# Altium PCB KEA once.PcbDoc (part 3 of 4) (continued)
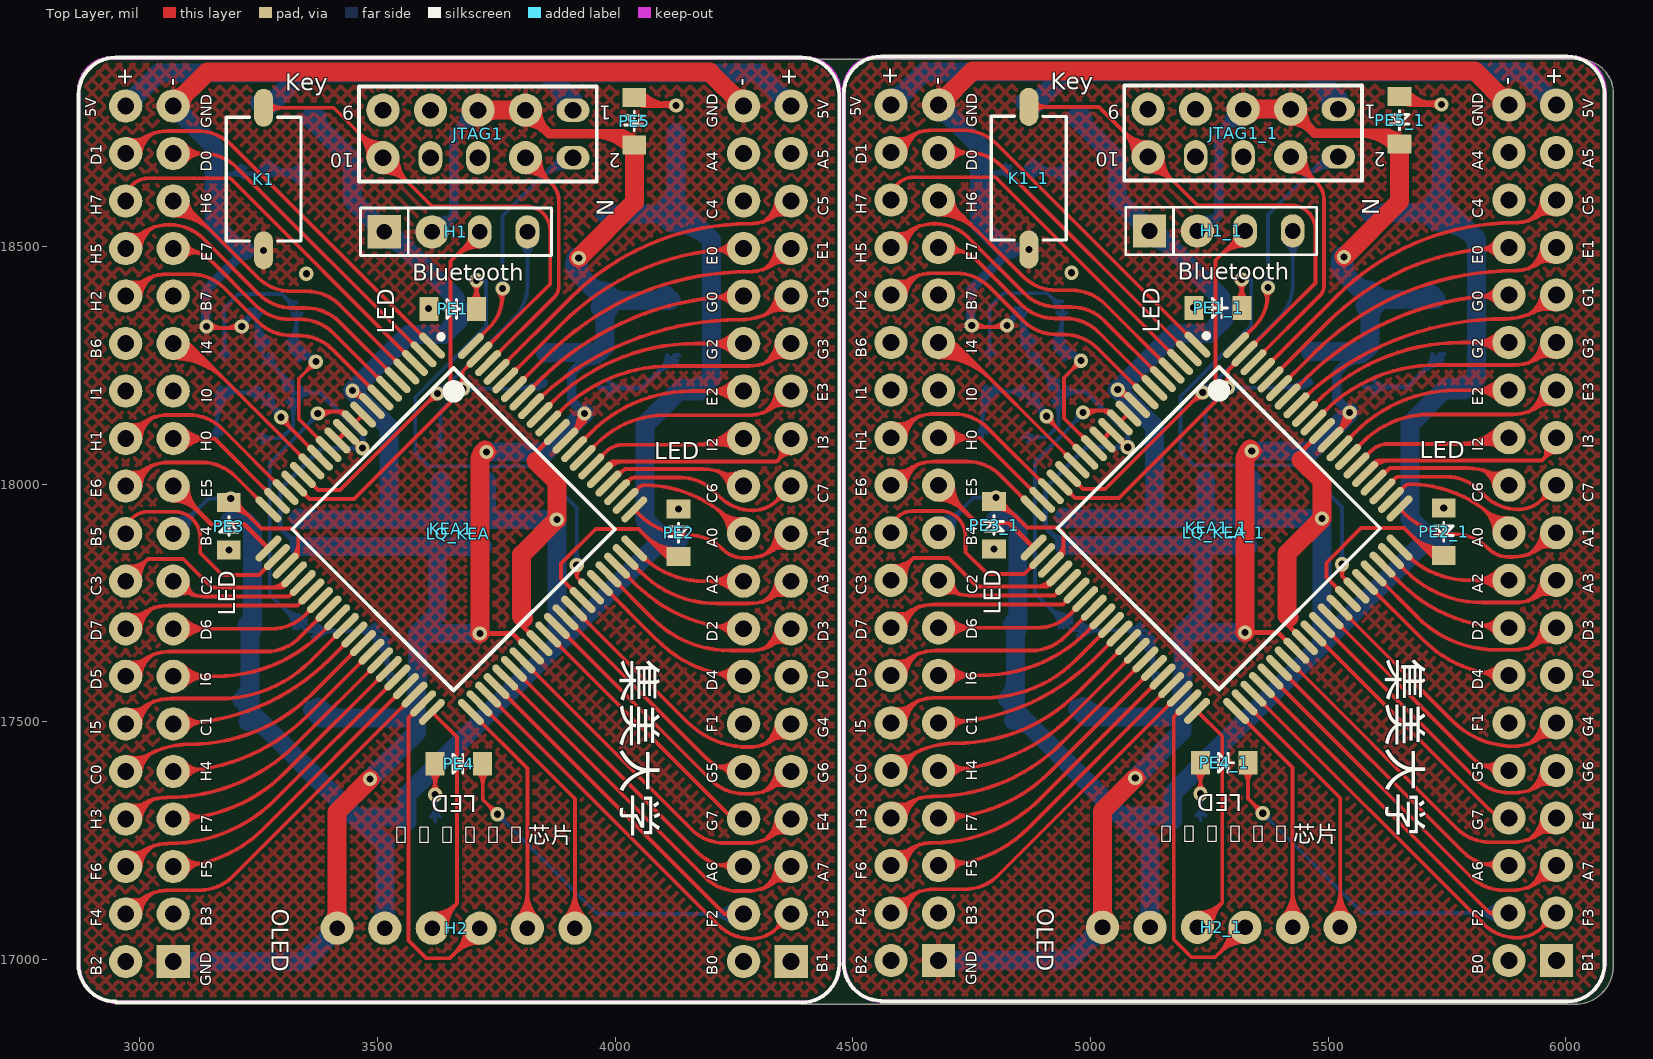
[diagram p0: Top Layer view]
## Nets (pads, with @x,y where several pads share a name; then routed paths per layer and width w, separated by ;. In a path a pad name is that pad's centre, name@x,y a point inside that pad or via, vN(x,y) a via of type N, cw(c..) or ccw(c..) an arc to the next point about the centre after c; other vN are vias at no path point) (continued)
  Top Layer w10: 4580,17998 4600.71,18018.71 ; 4580,18098 4600.71,18118.71 ; 4580,18398 4596.71,18414.71 ; 4580,18498 4600.71,18518.71 ; 4580,18698 4597.71,18715.71 ; 4671.42,18548 4672.58,18548 ; 4680,17968 cw(c4680,17895.57) 4731.21,17946.79 cw(c4782.43,17998) 4710,17998 ; 4680,17978 cw(c4680,17929.72) 4714.14,17963.86 cw(c4748.28,17998) 4700,17998 ; 4680,17998 4760,17918 ; 4680,18498 4692.58,18498 ; 4680,18598 cw(c4680,18556.96) 4709.02,18585.98 ; 4829.07,17918 4880.13,17866.94 ; 5043.35,18076 5025.21,18094.14 5043.34,18112.28 5077.62,18078 v1(5078,18078) ; v1@5057,18189 cw(c5057,18144.5) 5088.46,18175.97 ; 5060.28,18095.34 ccw(c5078,18113.06) v1@5078,18088 ; 5061.2,18094.42 cw(c5044.77,18078) v1@5068,18078 ; 5071.39,18193.04 ccw(c5057,18178.65) v1(5057,18199) 5065.43,18199 5097.75,18166.68 ; v1(5325,17688) 5394.52,17688 5432.73,17649.79 ; v1@5332.07,17680.93 cw(c5349.14,17663.86) 5349.14,17688 cw(c5349.14,17712.14) v1@5332.07,17695.07 ; 5413,17854 5407,17848 5407,17711.71 5450.82,17667.89 ; 5443,18051 5443,18067.91 5487.01,18111.92 ; 5505.11,18093.82 5545,18133.72 ; 5515.71,18104.42 ccw(c5469.13,18151) v1@5535,18151 ; 5532.78,18121.49 ccw(c5503.27,18151) v1(5545,18151) 5545,18133.72 ; v1@5540.02,18142.33 cw(c5535.06,18133.72) 5545,18133.72 ; v1@5549.98,18142.33 ccw(c5554.94,18133.72) 5545,18133.72 ; 5650,18816 5667,18799 v1(5738,18799) ; 5651.46,18812.46 ccw(c5683.97,18844.97) 5683.97,18799 ; 5658.54,18819.54 ccw(c5708.11,18869.11) 5708.11,18799 ; 5665.61,18826.61 ccw(c5732.25,18893.25) v1@5732.25,18799 ; 5969,17898 5980,17898 ; 5713.86,18799 cw(c5713.86,18774.86) 5730.93,18791.93 ccw(c5713.86,18774.86) 5713.86,18799 ; 5713.86,18799 ccw(c5713.86,18823.14) 5730.93,18806.07 cw(c5713.86,18823.14) 5713.86,18799 ; 5711.31,18803.46 ccw(c5717.19,18831.07) 5732.56,18807.39 cw(c5717.19,18831.07) 5711.31,18803.46 ; 5716.96,18802.26 cw(c5712.79,18782.64) 5729.61,18793.56 ccw(c5712.79,18782.64) 5716.96,18802.26
  Top Layer w20: 5421,18764 cw(c5421,18703.64) 5463.68,18746.32 cw(c5506.36,18789) 5446,18789 ; 5421,18789 5471,18739 5627,18739 ; 5565.33,18739 cw(c5565.33,18636.33) 5637.93,18708.93 ; 5613.62,18739 cw(c5613.62,18684.62) 5652.07,18723.07 ; 5635.04,18716.88 ccw(c5607.33,18719.33) 5627,18739 ; 5650,18716 5627,18739
  Top Layer w40: 4680,18798 4751,18869 5809,18869 5880,18798 ; 4680,18813 ccw(c4680,18849.21) 4705.61,18823.61 ccw(c4731.21,18798) 4695,18798 ; 5014.39,17078.61 ccw(c4988.79,17104.21) 5025,17104.21 ccw(c5061.21,17104.21) 5035.61,17078.61 ; 5025,17068 5025,17313 v1(5094,17382) ; 5321,18789 5421,18789 ; v1(5325,17688) 5325,18056 v1(5339,18070) ; 5325,18048.27 cw(c5360.73,18048.27) v1@5335.46,18073.54 ; 5325,18050.2 cw(c5356.28,18050.2) v1@5335.71,18073.77 ; 5331.61,18778.39 cw(c5357.21,18752.79) 5357.21,18789 cw(c5357.21,18825.21) 5331.61,18799.61 ; 5410.39,18778.39 ccw(c5384.79,18752.79) 5384.79,18789 ccw(c5384.79,18825.21) 5410.39,18799.61 ; 5417,17720 5413,17724 5413,17854 v1(5487,17928) 5487,18007 5443,18051 ; v1(5533,18478) 5650,18595 5650,18716 ; 5865,18798 ccw(c5828.79,18798) 5854.39,18823.61 ccw(c5880,18849.21) 5880,18813
  Bottom Layer w8: 4680,17898 4754,17972 v1(4801,17972) ; 4680,17913 ccw(c4680,17949.21) 4705.61,17923.61 ccw(c4731.21,17898) 4695,17898 ; 4680,17921 ccw(c4680,17976.53) 4719.26,17937.26 ccw(c4758.53,17898) 4703,17898 ; 4680,17929 ccw(c4680,18003.84) 4732.92,17950.92 ccw(c4785.84,17898) 4711,17898 ; 4762.45,18107.55 ccw(c4739.41,18130.59) 4772,18130.59 ccw(c4804.59,18130.59) 4781.55,18107.55 ; 4772,18098 4772,18186 4788,18202 4795.31,18194.69 4869.5,18194.69 4869.5,18181.5 v1@4915,18136 ; 4772,18128.28 cw(c4859.22,18128.28) 4797.55,18189.95 cw(c4808.99,18178.51) 4808.99,18194.69 ; 4772,18147.59 cw(c4839.91,18147.59) 4791.89,18195.61 ; 4772,18166.91 cw(c4820.59,18166.91) 4786.23,18201.27 ; 4772,18186.22 cw(c4801.28,18186.22) 4780.58,18206.92 ; 4778.45,18274.05 ccw(c4755.41,18297.09) 4788,18297.09 ccw(c4820.59,18297.09) 4797.55,18274.05 ; 4788,18262 4788,18373 4817,18402 4909,18402 4940,18371 4940,18288.81 4932.5,18281.31 4958.69,18281.31 ; 4791.89,18203.39 ccw(c4812.88,18224.38) 4812.88,18194.69 ; v1@4793.22,17964.22 ccw(c4774.44,17945.44) 4774.44,17972 ccw(c4774.44,17998.56) v1@4793.22,17979.78 ; 4797.55,18209.05 ccw(c4832.2,18243.7) 4832.2,18194.69 ; v1@4821.15,18344.63 ccw(c4813.08,18374.76) 4840.09,18359.16 ; v1(4824,18334) 4855,18365 ; v1@4824,18345 ccw(c4824,18371.56) 4842.78,18352.78 ccw(c4861.56,18334) v1@4835,18334 ; v1@4827.71,18337.71 ccw(c4794.42,18371) 4841.5,18371 ; v1@4834.63,18336.85 cw(c4855.8,18342.52) 4836.81,18353.48 ; 4841.37,18351.37 ccw(c4821.74,18371) 4849.5,18371 ; 4842.2,18352.2 cw(c4855,18339.39) 4855,18357.5 ; 4845.45,18361.45 cw(c4822.41,18338.41) 4855,18338.41 cw(c4887.59,18338.41) 4864.55,18361.45 ; 4855,18307.96 ccw(c4890.75,18307.96) 4865.75,18282.39 ; 4855,18326.97 ccw(c4909.35,18326.97) 4871.35,18288.11 ; 4855,18345.98 ccw(c4927.94,18345.98) 4876.94,18293.83 ; 4855,18371 4855,18365 ; 4856.32,18181.51 ccw(c4824.51,18149.7) 4824.51,18194.69 ccw(c4824.51,18239.69) 4856.32,18207.87 ; 4857,18098 4858,18099 4908,18099 4932.5,18123.5 4932.5,18194.69 4932.5,18209.5 4869.5,18272.5 4869.5,18281.31 4855,18295.81 4855,18365 ; 4861.98,18187.17 ccw(c4843.82,18169.01) 4843.82,18194.69 ccw(c4843.82,18220.37) 4861.98,18202.22 ; 4866.55,18088.45 cw(c4892.01,18062.99) 4892.01,18099 ; 4866.55,18107.55 ccw(c4887.18,18128.18) 4887.18,18099 ; 4869.5,18171.13 cw(c4869.5,18146.12) 4887.19,18163.81 ; 4869.5,18257.75 cw(c4869.5,18222.14) 4894.68,18247.32 ; 4880.14,18189.77 ccw(c4925.8,18189.77) 4893.52,18157.48 ; 4880.14,18276.39 ccw(c4915.21,18276.39) 4890.41,18251.59 ; 4882.54,18299.55 cw(c4946.54,18365) 4855,18365 ; 4887.51,18163.49 cw(c4867.03,18143) v1@4896,18143 ; 4888.14,18189.77 ccw(c4953.12,18189.77) v1@4907.17,18143.83 ; 4888.14,18276.39 ccw(c4942.53,18276.39) 4904.07,18237.93 ; 4889.93,18161.07 ccw(c4907,18178.14) v1@4907,18154 ; 4893.53,18167.46 cw(c4868.87,18153.22) v1@4896.37,18145.85 ; 4893.69,18248.31 cw(c4844.99,18199.61) 4913.86,18199.61 ; 4894.89,18165.1 ccw(c4916.22,18177.42) v1@4909.85,18153.63 ; 4907.08,17745.92 ccw(c4960,17798.84) 4960,17724 ; 4907.34,18234.66 cw(c4872.3,18199.61) 4921.86,18199.61 ; 4917.56,18224.44 ccw(c4932.5,18239.37) 4932.5,18218.25 ; 4919.32,18176.59 cw(c4887.5,18144.78) 4932.5,18144.78 cw(c4977.49,18144.78) 4945.68,18176.59 ; 4919.32,18299.41 ccw(c4869.38,18349.34) 4940,18349.34 ; 4920.29,17732.71 cw(c4886.06,17698.47) 4934.47,17698.47 ; 4920.74,17732.26 ccw(c4960,17771.53) 4960,17716 ; 4921,18221 cw(c4899.61,18199.61) 4929.86,18199.61 ; 4924.1,18286.78 cw(c4938.57,18268.87) 4954.85,18285.15 ; 4924.97,18182.25 cw(c4906.81,18164.09) 4932.5,18164.09 cw(c4958.18,18164.09) 4940.02,18182.25 ; 4924.97,18293.75 ccw(c4888.7,18330.03) 4940,18330.03 ; 4926.5,18371 ccw(c4893.91,18371) 4916.95,18394.05 ccw(c4940,18417.09) 4940,18384.5 ; 4929.13,18280.56 cw(c4944.19,18261.92) 4961.14,18278.86 ; 4930.45,18361.45 cw(c4907.41,18338.41) 4940,18338.41 cw(c4972.59,18338.41) 4949.55,18361.45 ; 4930.63,18288.09 ccw(c4908.01,18310.71) 4940,18310.71 ; 4933.95,17719.05 cw(c4913.37,17698.47) 4942.47,17698.47 ; 4934.15,18274.33 cw(c4949.81,18254.97) 4967.42,18272.58 ; 4934.39,17718.61 ccw(c4960,17744.21) 4960,17708 ; 4939.18,18268.11 cw(c4955.43,18248.01) v1@4973.71,18266.29 ; 4940,18313.11 ccw(c4959.38,18313.11) 4945.68,18299.41 ; 4944.21,18261.89 cw(c4961.06,18241.06) v1(4980,18260) 4958.69,18281.31 ; 4950.1,18275.2 cw(c4958.69,18272.22) 4958.69,18281.31 ; 4950.1,18287.42 ccw(c4958.69,18290.4) 4958.69,18281.31 ; 4953.96,18280.35 cw(c4938.39,18253.39) v1@4969.14,18258.28 ; 4960.97,18273.64 cw(c4952.95,18259.74) v1@4969,18259.89 ; 4962.97,18272.49 ccw(c4972.31,18288.69) 4977.15,18270.63 cw(c4974.35,18281.1) 4968.93,18271.71 ; 4963.1,18127.1 ccw(c4939.2,18151) v1@4973,18151 ; 4968.49,18271.96 cw(c4959.73,18256.78) v1@4977.04,18259.53 ; v1@4969,18260 ccw(c4942.44,18260) 4961.22,18278.78 ccw(c4980,18297.56) v1@4980,18271 ; 4970.34,18134.34 cw(c4984,18120.69) v1@4984,18140 ; 4972.39,17680.61 cw(c5002.32,17650.68) 5002.32,17693 cw(c5002.32,17735.32) 4972.39,17705.39 ; 4978.05,17674.95 cw(c5021.63,17631.37) 5021.63,17693 cw(c5021.63,17754.63) 4978.05,17711.05 ; v1@4985.5,18149.5 4883,18047 4883,17770 4960,17693 5114.6,17693 5119.6,17688 5132,17675.6 5132,17591 ; 5064.91,17693 cw(c5064.91,17637.25) 5104.33,17676.67 ; 5070.04,17693 ccw(c5070.04,17741.49) 5104.33,17707.2 ; 5084.22,17693 cw(c5084.22,17656.56) 5109.99,17682.33 ; 5089.35,17693 ccw(c5089.35,17722.18) 5109.99,17701.55 ; 5104.33,17668.8 cw(c5037.53,17602) 5132,17602 ; 5109.99,17674.45 cw(c5056.85,17621.31) 5132,17621.31 ; 5115.65,17680.11 cw(c5076.16,17640.63) 5132,17640.63 ; 5121.3,17685.77 cw(c5095.48,17659.94) 5132,17659.94 ; 5122.45,17600.55 ccw(c5099.41,17623.59) 5132,17623.59 ccw(c5164.59,17623.59) 5141.55,17600.55 ; 5222.45,17302.55 ccw(c5201.82,17323.18) 5231,17323.18 ; v1@5223.22,17341.22 cw(c5204.44,17322.44) 5231,17322.44 cw(c5257.56,17322.44) v1@5238.78,17341.22 ; 5231,17328.01 ccw(c5267.01,17328.01) 5241.55,17302.55 ; v1(5231,17349) 5231,17294 5232,17293 ; 5232.45,18082.05 ccw(c5209.41,18105.09) 5242,18105.09 ccw(c5274.59,18105.09) 5251.55,18082.05 ; v1@5236,18204 ccw(c5236,18237.8) 5259.9,18213.9 ; 5242,18070 5242,18156 v1(5289,18203) 5448,18203 5463,18218 5452,18218 ; v1@5247,18193 cw(c5266.31,18193) 5252.66,18206.66 ; 5249,18203 5393,18347 ; v1@5278,18203 cw(c5251.44,18203) 5270.22,18184.22 cw(c5289,18165.44) v1@5289,18192 ; v1@5296.78,18195.22 cw(c5315.56,18176.44) 5315.56,18203 cw(c5315.56,18229.56) v1@5296.78,18210.78 ; v1(5318,18431) 5338,18431 ; v1@5327.29,18425.11 cw(c5338,18418.32) 5338,18431 ; v1@5327.29,18436.89 ccw(c5338,18443.68) 5338,18431 ; v1@5362.21,17296.79 cw(c5362.21,17270.23) 5380.99,17289.01 cw(c5399.77,17307.79) v1@5373.21,17307.79 ; v1(5362.21,17307.79) 5572,17098 5880,17098 ; v1@5365.22,18421.78 ccw(c5346.44,18440.56) 5373,18440.56 ccw(c5399.56,18440.56) v1@5380.78,18421.78 ; v1(5373,18414) 5373,18567 5495,18689 5521,18689 ; 5395.89,18349.89 ccw(c5325.18,18420.6) 5425.18,18420.6 5425.18,18533 ; 5400.23,18203 ccw(c5400.23,18278.27) 5453.45,18225.05 ; 5410.33,18508.15 cw(c5374.48,18472.3) 5425.18,18472.3 cw(c5475.88,18472.3) 5440.03,18508.15 ; 5415.99,18513.81 cw(c5393.8,18491.62) 5425.18,18491.62 cw(c5456.57,18491.62) 5434.37,18513.81 ; 5419.54,18203 ccw(c5419.54,18258.96) 5459.11,18219.39 ; 5438.86,18203 ccw(c5438.86,18239.64) 5464.77,18213.73 ; 5447.84,18641.84 cw(c5511,18578.67) 5511,18668 ; 5461.49,18655.49 cw(c5511,18605.99) 5511,18676 ; 5475.15,18669.15 cw(c5511,18633.3) 5511,18684 ; 5486.46,18680.46 ccw(c5477.93,18689) 5490,18689 ; v1@5521.22,17839.78 ccw(c5502.44,17858.56) 5529,17858.56 ccw(c5555.56,17858.56) v1@5536.78,17839.78 ; v1(5529,17832) 5529,17952 5441,18040 5218,18040 5189,18069 5189,18185 5338,18334 5338,18431 ; 5858.08,17076.08 ccw(c5805.16,17023.16) 5805.16,17098 ccw(c5805.16,17172.84) 5858.08,17119.92 ; 5863.74,17081.74 ccw(c5824.47,17042.47) 5824.47,17098 ccw(c5824.47,17153.53) 5863.74,17114.26 ; 5869.39,17087.39 ccw(c5843.79,17061.79) 5843.79,17098 ccw(c5843.79,17134.21) 5869.39,17108.61
  Bottom Layer w10: 4809.95,18655 cw(c4809.95,18629.93) 4827.68,18647.66 ; 4812.33,18655 ccw(c4812.33,18674.53) 4831.08,18669.06 ; 4821.48,18671.86 cw(c4799,18678.41) 4799,18655 4967,18655 4968,18654 ; 4864.17,18668.2 ccw(c4896.05,18700.07) 4896.05,18655 ccw(c4896.05,18629.93) 4878.32,18647.66 ; 4871.24,18675.27 ccw(c4920.19,18724.21) 4920.19,18655 ; 4878.32,18682.34 ccw(c4944.33,18748.36) 4944.33,18655 ; 4900.9,18655 cw(c4900.9,18592.37) 4945.18,18636.66 ; 4905.73,18655 ccw(c4905.73,18710.8) 4945.18,18671.34 ; 4910.23,18662.74 ccw(c4919.1,18701.81) 4946.04,18672.16 ; 4911.3,18662.5 cw(c4900.5,18614.93) 4941.77,18640.93 ; 4918.39,17896.61 ccw(c4944,17922.21) 4944,17886 ; 4924.43,17890.57 cw(c4907.36,17873.5) 4931.5,17873.5 ; 4925.04,18655 cw(c4925.04,18616.51) 4952.26,18643.73 ; 4928.94,18658.49 ccw(c4934.85,18684.48) 4952.76,18664.75 ; 4929.87,18655 ccw(c4929.87,18686.66) 4952.25,18664.27 ; 4932.5,18194.69 4989.31,18194.69 5078,18106 v1(5078,18078) 4991,18078 4905,17992 4905,17910 4944,17871 ; 4944.97,18182.22 cw(c4975.08,18152.11) 4975.08,18194.69 cw(c4975.08,18237.27) 4944.97,18207.16 ; v1@5070.93,18070.93 ccw(c5053.86,18053.86) 5053.86,18078 ccw(c5053.86,18102.14) 5070.93,18085.07 ccw(c5053.86,18102.14) 5078,18102.14 ccw(c5102.14,18102.14) v1@5085.07,18085.07 ; 5576,18204.6 5666.6,18204.6 5735.4,18273.4 5744,18273.4 ; 5594.5,18190.04 cw(c5629.65,18154.89) 5629.65,18204.6 cw(c5629.65,18254.31) 5594.5,18219.16 ; 5696.96,18234.96 cw(c5740.06,18191.85) 5740.06,18252.81 ; 5708.21,18246.21 ccw(c5681.02,18273.4) 5719.47,18273.4 ; 5714.03,18252.03 cw(c5740.06,18225.99) 5740.06,18262.81
  Bottom Layer w20: 4748,18350.9 ccw(c4766.9,18350.9) v1@4753.54,18337.54 ; v1(4750,18334) 4748,18336 4748,18410 4832,18494 v1(4870,18494) ; 5224.39,18533 5237,18533 5270,18566 ; 5232.03,18556.81 ccw(c5243.48,18592.52) 5270,18566 ; 5249.39,18533 cw(c5279.32,18533) 5258.16,18554.16 ; 5296,18789 cw(c5235.64,18789) 5278.32,18746.32 cw(c5321,18703.64) 5321,18764 ; 5321,18789 5270,18738 5270,18566 ; 5527.25,18245.25 cw(c5572.06,18200.43) 5572.06,18263.81 ; v1(5545,18151) 5518,18178 5518,18236 5561.4,18279.4 5576,18279.4